# Altium PCB BlueberryPiCore.PcbDoc (part 2 of 3)
Units mm, origin at the board's own origin, x right, y up, seen from the top; angles counter-clockwise.
Board outline 31 x 24 mm, 6 copper layers (Top Layer, GND1, SIG1, SIG2, PWR, Bottom Layer), stack 0.748 mm thick; 90 components, 183 nets, 829 pads, 387 vias.
Unrouted connection lines stored in the file: 15.
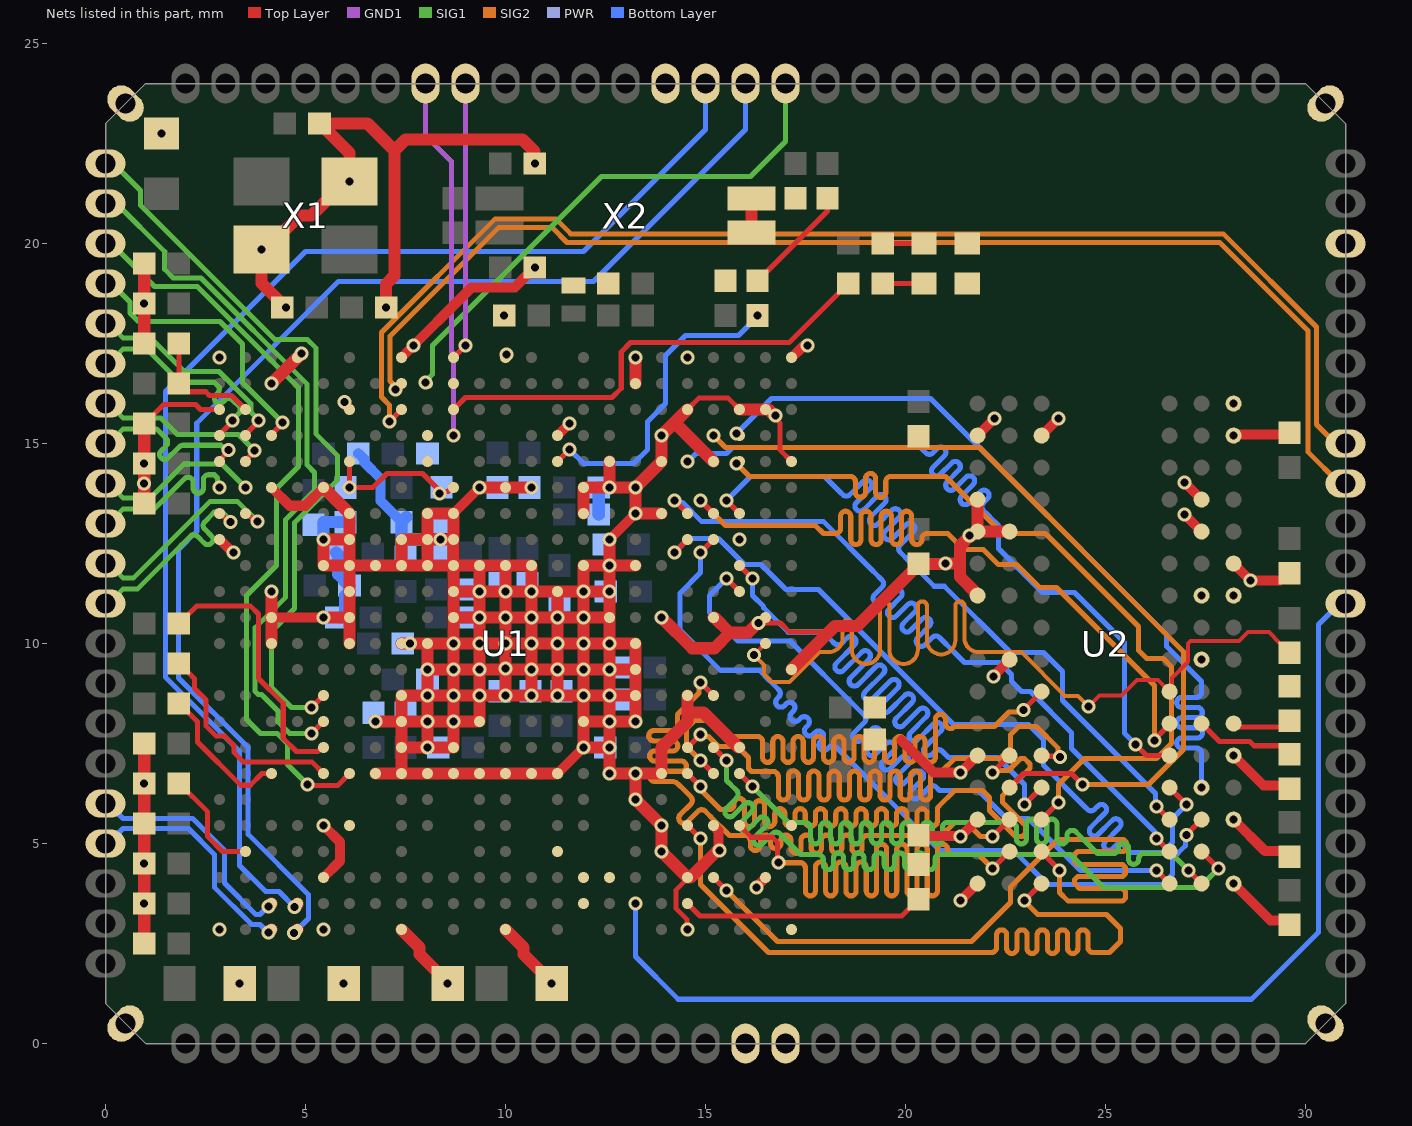
[diagram p6: the nets of this part, all layers, seen from the top]

## Via types
v1: diameter 0.35, hole 0.2, Top Layer to Bottom Layer, tented both sides, 387 vias

## Nets (pads, with @x,y where several pads share a name; then routed paths per layer and width w, separated by ;. In a path a pad name is that pad's centre, name@x,y a point inside that pad or via, vN(x,y) a via of type N, cw(c..) or ccw(c..) an arc to the next point about the centre after c; other vN are vias at no path point) (continued)
GND: C1.2 C4.2 C5.2 C6.2 C7.2 C8.1 C9.1 C10.1 C11.1 C12.1 C13.1 C14.1 C15.1 C17.1 C18.1 C19.1 C20.1 C21.1 C22.1 C23.1 C24.1 C25.1 C26.1 C27.1 C28.1 C29.1 C30.1 C31.1 C32.1 C33.1 C34.1 C35.1 C36.1 C37.1 C38.1 C39.1 C40.1 C41.1 C42.1 C43.1 C44.1 C45.1 C46.1 C47.1 C48.1 C49.1 C50.1 C51.1 C52.1 C53.1 C54.1 C55.1 C57.1 C58.1 C59.1 C60.1 C61.1 C62.1 C63.1 C64.1 C65.1 C66.1 C67.1 C68.1 LED1.1 LED2.1 pad.36 pad.37 pad.68 pad.86 pad.99 R1.2 R2.2 R6.1 R7.1 R8.1 R13.1 R18.1 U1.A1 U1.A16 U1.A21 U1.A23 U1.AA8 U1.AA16 U1.AA21 U1.AB3 U1.AB13 U1.AB21 U1.AC1 U1.AC5 U1.AC11 U1.AC19 U1.AC23 U1.C12 U1.C13 U1.C14 U1.C18 U1.C22 U1.D23 U1.E1 U1.E3 U1.E5 U1.E13 U1.E15 U1.E16 U1.E18 U1.F12 U1.F13 U1.F14 U1.F15 U1.F16 U1.F17 U1.F21 U1.G7 U1.G9 U1.G15 U1.H1 U1.H7 U1.H8 U1.H9 U1.H10 U1.H12 U1.H15 U1.H16 U1.H23 U1.J7 U1.J8 U1.J9 U1.J10 U1.J11 U1.J12 U1.J15 U1.J16 U1.J17 U1.K7 U1.K8 U1.K9 U1.K10 U1.K11 U1.K12 U1.K13 U1.K14 U1.K15 U1.K16 U1.K17 U1.L7 U1.L9 U1.L10 U1.L11 U1.L12 U1.L13 U1.L14 U1.L15 U1.L18 U1.M1 U1.M7 U1.M10 U1.M11 U1.M12 U1.M13 U1.M14 U1.M15 U1.M18 U1.M23 U1.N7 U1.N10 U1.N11 U1.N12 U1.N13 U1.N14 U1.N15 U1.N18 U1.P7 U1.P10 U1.P11 U1.P12 U1.P13 U1.P14 U1.P20 U1.R8 U1.R9 U1.R10 U1.R11 U1.R12 U1.R13 U1.R14 U1.R15 U1.R17 U1.R18 U1.T7 U1.T8 U1.T9 U1.T10 U1.T11 U1.T12 U1.T13 U1.T14 U1.T15 U1.T16 U1.T18 U1.T19 U1.U6 U1.U7 U1.U9 U1.U10 U1.U11 U1.U12 U1.U15 U1.U17 U1.U18 U1.U22 U1.U23 U1.V5 U1.V7 U1.V13 U1.V17 U1.V19 U1.V20 U1.W1 U1.W3 U1.W10 U1.W21 U1.W23 U1.Y5 U1.Y13 U1.Y19 U2.A9 U2.B1 U2.B3 U2.B9 U2.D1 U2.D8 U2.E1 U2.E2 U2.E8 U2.F9 U2.G1 U2.G8 U2.G9 U2.J2 U2.J8 U2.M1 U2.M9 U2.P1 U2.P9 U2.T1 U2.T9 U3.1 X1.1 X1.3 X2.2 X2.3 | length 201.2
  Top Layer w0.127: R2.2@0.967,15.5 0.98,15.5 1.455,15.975 2.25,15.975 2.375,15.85 U1.A21@2.85,15.85 ; U1.W3@14.532,4.164 14.532,4.107 14.257,3.832 14.257,3.379 14.532,3.104 14.532,2.867 v1(14.55,2.85) ; U1.W21@14.55,15.85 14.842,16.142 15.557,16.142 U1.AA21@15.874,15.826 ; v1(16.33,10.511) 16.354,10.511 16.875,10.511 17.094,10.292 18.083,10.292 18.088,10.287 ; v1(16.748,15.7) 16.748,15.626 16.858,15.517 16.858,14.842 U1.AC19@17.15,14.55
  Top Layer w0.254: U1.A16@2.85,12.6 2.857,12.6 3.182,12.275 v1(3.2,12.275) ; U1.C13@4.15,10.65 v1(5.45,10.65) ; U1.C18@4.15,13.9 4.604,13.446 4.996,13.446 U1.E18@5.45,13.9 ; U1.E3@5.45,4.15 5.866,4.566 5.866,5.034 v1(5.45,5.45) ; v1(5.973,16.043) 6.001,16.015 6.001,15.956 6.1,15.857 U1.F21@6.1,15.85 ; U1.H23@7.4,17.15 9.154,18.904 10.23,18.904 10.366,19.041 10.366,19.046 10.72,19.4 v1(10.733,19.4) ; U1.K17@8.7,13.25 v1(9.35,13.9) ; U1.P7@11.3,6.75 v1(11.95,7.4) ; U1.P20@11.3,15.2 v1(11.6,15.5) ; v1(12.6,12.6) v1(13.25,13.25) ; U1.Y5@15.2,5.45 15.2,5.443 15.322,5.321 15.322,4.853 v1(15.35,4.825) ; v1(16.275,3.9) 16.275,3.918 16.5,4.143 U1.AB3@16.5,4.15 ; v1@16.354,10.511 16.493,10.65 U1.AB13@16.5,10.65 ; U1.AC23@17.15,17.15 17.157,17.15 17.429,17.422 17.522,17.422 v1(17.55,17.45) ; C50.1@19.233,7.6 C50.1@19.251,7.581 ; 19.897,7.581 20.703,6.775 v1(21.375,6.775) U2.M1@21.8,7.2 ; C34.1@20.325,5.209 20.342,5.192 21.358,5.192 v1(21.375,5.175) U2.P1@21.8,5.6 ; v1(21.375,3.575) U2.T1@21.8,4 ; U2.B1@21.8,15.2 v1(22.225,15.625) ; v1(22.2,9.175) 22.2,9.187 22.6,9.588 U2.J2@22.6,9.6 ; U2.B3@23.4,15.2 v1(23.825,15.625) ; v1(26.975,13.225) U2.E8@27.4,12.8 ; v1(26.975,14.025) U2.D8@27.4,13.6 ; v1(28.2,4) 29.125,3.075 29.457,3.075 29.465,3.068 C36.1@29.465,2.9 ; v1(28.2,5.6) 28.991,4.809 C39.1@29.6,4.809 ; v1(28.2,7.2) 28.949,6.451 29.508,6.451 R6.1@29.6,6.359 ; U2.F9@28.2,12 28.625,11.575 29.366,11.575 29.394,11.604 29.407,11.604 29.55,11.747 C65.1@29.55,11.759 ; v1(28.2,15.2) 28.228,15.228 29.512,15.228 C38.1@29.55,15.266
  Top Layer w0.305: C46.1@0.967,2.5 v1(0.967,3.5) v1(0.967,6.5) C44.1@0.967,7.5 ; C59.1@0.967,13.5 v1(0.967,14.5) R2.2@0.967,15.5 ; C42.1@0.967,17.5 v1(0.967,18.5) R1.2@0.967,19.5 ; U1.C12@4.15,10 U1.C13@4.15,10.65 v1(4.15,11.3) ; v1(4.15,16.5) U1.D23@4.8,17.15 v1(4.9,17.25) ; v1(4.517,18.4) 4.504,18.4 3.9,19.004 v1(3.9,19.85) 4,19.85 4.85,20.7 5.15,20.7 6,21.55 v1(6.1,21.55) 6.1,22.263 C4.2@5.363,23 ; C4.2@5.35,23 C4.2@5.363,23 ; v1(5.45,10.65) U1.F13@6.1,10.65 ; U1.E18@5.45,13.9 U1.F17@6.1,13.25 U1.F16@6.1,12.6 ; U1.F12@6.1,10 U1.F13@6.1,10.65 ; U1.G7@6.75,6.75 U1.H7@7.4,6.75 ; v1(6.75,8.05) U1.H9@7.4,8.05 ; v1(7.016,18.4) 7.016,18.991 7.225,19.2 7.225,22.325 ; U1.H1@7.4,2.85 7.851,2.399 7.851,2.231 8.553,1.529 v1(8.553,1.5) ; U1.H12@7.4,10 U1.J12@8.05,10 ; v1(9.35,13.9) U1.M18@10,13.9 v1(10.65,13.9) ; U1.M1@10,2.85 10.451,2.399 10.451,2.231 11.153,1.529 v1(11.153,1.5) ; v1(10.733,22) 10.725,22.008 10.725,22.3 10.425,22.6 7.5,22.6 7.225,22.325 ; U1.P7@11.3,6.75 U1.N7@10.65,6.75 U1.L7@9.35,6.75 U1.K7@8.7,6.75 U1.J7@8.05,6.75 U1.H7@7.4,6.75 ; U1.R17@11.95,13.25 U1.R18@11.95,13.9 v1(12.6,13.9) ; v1(12.6,12.6) v1(12.6,11.95) ; U1.T19@12.6,14.55 v1(12.6,13.9) ; U1.U15@13.25,11.95 v1(12.6,11.95) ; U1.U22@13.25,16.5 v1(13.25,17.15) ; v1(13.9,10.65) 14.666,9.884 15.222,9.884 15.607,10.269 ; U1.V17@13.9,13.25 v1(13.25,13.25) v1(13.25,13.9) ; U1.W10@14.55,8.7 14.55,8.275 ; U1.W21@14.55,15.85 14.225,15.525 ; U1.Y13@15.2,10.65 15.226,10.65 15.607,10.269 ; U1.Y19@15.2,14.55 14.225,15.525 ; v1(15.35,4.825) 15.332,4.807 15.282,4.807 14.625,4.15 U1.W3@14.55,4.15 v1(13.9,4.8) v1(13.9,5.45) v1(13.25,6.1) v1(13.25,6.75) ; U1.AA8@15.85,7.4 15.824,7.4 14.949,8.275 14.55,8.275 ; U1.AA21@15.85,15.85 16.573,15.85 16.722,15.7 v1(16.748,15.7) ; X2.2@15.85,20.275 X2.2@16.15,20.275 X2.3@16.15,21.125 X2.3@15.85,21.125 ; v1(16.33,10.511) 16.304,10.511 16.061,10.269 15.607,10.269 ; U1.AC11@17.15,9.35 18.088,10.287 18.235,10.435 18.791,10.435 20.343,11.987 20.987,11.987 v1(21,12) 21.359,12 ; v1(21.6,12.705) 21.6,12.679 21.359,12.438 21.359,12 ; v1@21.631,12.674 21.631,12.71 21.644,12.723 21.697,12.723 21.774,12.8 U2.E1@21.8,12.8 ; U2.G1@21.8,11.2 21.8,11.226 21.359,11.667 21.359,12 ; U2.D1@21.8,13.6 U2.E1@21.8,12.8 ; U2.E2@22.6,12.8 U2.E1@21.8,12.8 ; C4.2@5.363,23 6.55,23 7.225,22.325 ; U1.F13@6.1,10.65 U1.F14@6.1,11.3 U1.F15@6.1,11.95 ; U1.F15@6.1,11.95 U1.E15@5.45,11.95 v1(5.45,12.6) U1.F16@6.1,12.6 ; U1.F15@6.1,11.95 U1.G15@6.75,11.95 U1.H15@7.4,11.95 ; U1.F15@6.1,11.95 U1.F16@6.1,12.6 ; U1.H7@7.4,6.75 U1.H8@7.4,7.4 ; U1.H8@7.4,7.4 v1(8.05,7.4) ; U1.H8@7.4,7.4 U1.H9@7.4,8.05 ; U1.H9@7.4,8.05 v1(8.05,8.05) ; U1.H9@7.4,8.05 U1.H10@7.4,8.7 v1(8.05,8.7) ; U1.H15@7.4,11.95 U1.J15@8.05,11.95 ; U1.H15@7.4,11.95 U1.H16@7.4,12.6 U1.J16@8.05,12.6 ; v1(8.05,7.4) U1.K8@8.7,7.4 v1(8.7,8.05) ; v1(8.05,7.4) v1(8.05,8.05) ; v1(8.05,8.05) v1(8.7,8.05) ; v1(8.05,8.05) v1(8.05,8.7) ; v1(8.05,8.7) v1(8.7,8.7) ; v1(8.05,8.7) v1(8.05,9.35) ; v1(8.05,9.35) v1(8.7,9.35) ; v1(8.05,9.35) U1.J12@8.05,10 ; U1.J12@8.05,10 v1(8.7,10) ; U1.J15@8.05,11.95 U1.J16@8.05,12.6 ; U1.J15@8.05,11.95 U1.K15@8.7,11.95 ; U1.J16@8.05,12.6 U1.J17@8.05,13.25 U1.K17@8.7,13.25 U1.K16@8.7,12.6 ; U1.J16@8.05,12.6 v1(8.375,12.6) U1.K16@8.7,12.6 ; v1(8.7,8.05) v1(8.7,8.7) ; v1(8.7,8.05) U1.L9@9.35,8.05 v1(9.35,8.7) ; v1(8.7,8.7) v1(9.35,8.7) ; v1(8.7,8.7) v1(8.7,9.35) ; v1(8.7,9.35) v1(9.35,9.35) ; v1(8.7,9.35) v1(8.7,10) ; v1(8.7,10) v1(9.35,10) ; v1(8.7,10) U1.K13@8.7,10.65 ; U1.K13@8.7,10.65 v1(9.35,10.65) ; U1.K13@8.7,10.65 U1.K14@8.7,11.3 ; U1.K14@8.7,11.3 v1(9.35,11.3) ; U1.K14@8.7,11.3 U1.K15@8.7,11.95 ; U1.K15@8.7,11.95 U1.L15@9.35,11.95 ; U1.K15@8.7,11.95 U1.K16@8.7,12.6 ; v1(9.35,8.7) v1(9.35,9.35) ; v1(9.35,8.7) v1(10,8.7) ; v1(9.35,9.35) U1.M11@10,9.35 ; v1(9.35,9.35) v1(9.35,10) ; v1(9.35,10) v1(10,10) ; v1(9.35,10) v1(9.35,10.65) ; v1(9.35,10.65) v1(9.35,11.3) ; v1(9.35,10.65) v1(10,10.65) ; v1(9.35,11.3) v1(10,11.3) ; v1(9.35,11.3) U1.L15@9.35,11.95 ; U1.L15@9.35,11.95 U1.M15@10,11.95 ; v1(10,8.7) U1.M11@10,9.35 ; v1(10,8.7) v1(10.65,8.7) ; U1.M11@10,9.35 v1(10.65,9.35) ; U1.M11@10,9.35 v1(10,10) ; v1(10,10) v1(10.65,10) ; v1(10,10) v1(10,10.65) ; v1(10,10.65) v1(10.65,10.65) ; v1(10,10.65) v1(10,11.3) ; v1(10,11.3) v1(10.65,11.3) ; v1(10,11.3) U1.M15@10,11.95 ; U1.M15@10,11.95 U1.N15@10.65,11.95 v1(10.65,11.3) ; v1(10.65,8.7) v1(10.65,9.35) ; v1(10.65,8.7) v1(11.3,8.7) ; v1(10.65,9.35) v1(11.3,9.35) ; v1(10.65,9.35) v1(10.65,10) ; v1(10.65,10) v1(11.3,10) ; v1(10.65,10) v1(10.65,10.65) ; v1(10.65,10.65) v1(10.65,11.3) ; v1(10.65,10.65) v1(11.3,10.65) ; v1(10.65,11.3) U1.P14@11.3,11.3 ; v1(11.3,8.7) v1(11.3,9.35) ; v1(11.3,8.7) v1(11.95,8.7) ; v1(11.3,9.35) v1(11.3,10) ; v1(11.3,9.35) v1(11.95,9.35) ; v1(11.3,10) v1(11.3,10.65) ; v1(11.3,10) v1(11.95,10) ; v1(11.3,10.65) U1.P14@11.3,11.3 ; v1(11.3,10.65) v1(11.95,10.65) ; U1.P14@11.3,11.3 v1(11.95,11.3) ; U1.R9@11.95,8.05 v1(12.6,8.05) ; U1.R9@11.95,8.05 v1(11.95,8.7) ; U1.R9@11.95,8.05 v1(11.95,7.4) v1(12.6,7.4) ; v1(11.95,8.7) v1(12.6,8.7) ; v1(11.95,8.7) v1(11.95,9.35) ; v1(11.95,9.35) v1(11.95,10) ; v1(11.95,9.35) v1(12.6,9.35) ; v1(11.95,10) v1(12.6,10) ; v1(11.95,10) v1(11.95,10.65) ; v1(11.95,10.65) v1(11.95,11.3) ; v1(11.95,10.65) U1.T13@12.6,10.65 ; v1(11.95,11.3) U1.R15@11.95,11.95 v1(12.6,11.95) ; v1(11.95,11.3) v1(12.6,11.3) ; v1(12.6,7.4) v1(12.6,6.75) v1(13.25,6.75) ; v1(12.6,7.4) v1(12.6,8.05) ; v1(12.6,8.05) v1(13.25,8.05) U1.U10@13.25,8.7 ; v1(12.6,8.05) v1(12.6,8.7) ; v1(12.6,8.7) U1.U10@13.25,8.7 ; v1(12.6,8.7) v1(12.6,9.35) ; v1(12.6,9.35) U1.U11@13.25,9.35 ; v1(12.6,9.35) v1(12.6,10) ; v1(12.6,10) U1.U12@13.25,10 U1.U11@13.25,9.35 ; v1(12.6,10) U1.T13@12.6,10.65 ; U1.T13@12.6,10.65 v1(12.6,11.3) ; v1(12.6,11.3) v1(12.6,11.95) ; v1(12.6,13.9) v1(13.25,13.9) ; v1(13.25,6.75) U1.V7@13.9,6.75 13.9,7.4 14.55,8.05 14.55,8.275 ; U1.U10@13.25,8.7 U1.U11@13.25,9.35 ; v1(13.25,13.9) U1.V19@13.9,14.55 v1(13.9,15.2) 14.225,15.525
  Bottom Layer w0.254: C52.1@6.316,14.75 6.329,14.75 6.472,14.607 6.472,14.528 6.875,14.125 6.875,13.567 7.252,13.19 7.257,13.19 7.4,13.047 C14.1@7.4,13.034
  Bottom Layer w0.305: v1(5.45,12.6) 5.45,13.034 C17.1@6.1,13.034 ; C61.1@5.759,12.275 5.82,12.214 5.82,11.73 5.97,11.58 5.97,11.568 6.087,11.45 C62.1@6.1,11.45 ; C54.1@5.884,10.65 5.992,10.758 5.992,11.192 C62.1@6.1,11.3 ; C24.1@7.4,12.166 7.4,12.6 ; C14.1@7.4,13.034 7.4,12.6 ; C14.1@7.4,13.047 C14.1@7.518,13.165 ; v1(8.375,12.6) 7.4,12.6 ; C30.1@8.916,10.65 v1(9.35,10.65) ; C68.1@8.916,11.3 v1(9.35,11.3) ; v1(11.3,10.65) C23.1@11.3,11.084 ; C64.1@12.333,13.226 C63.1@12.333,13.9 v1(12.6,13.9)
  other v1: 3.353,1.5 5.953,1.5 2.85,2.85 5.45,2.85 0.967,4.5 10,9.375 27.4,9.6 7.616,10 27.4,11.2 28.2,11.2 28.625,11.575 15.85,12.6 0.967,14 28.2,16 2.85,17.15 14.55,17.15 10.025,17.225 7.7,17.45 9.967,18.2 1.4,22.753
HCEC: pad.2 U1.E9 | length 18
  Top Layer w0.127: v1(5.15,7.75) U1.E9@5.45,8.05
  SIG1 w0.127: pad.2@0,21 0.275,21 1.48,19.795 1.48,19.354 1.694,19.141 2.384,19.141 5.041,16.484 5.041,14.461 5.225,14.277 5.225,13.825 4.503,13.103 4.503,11.154 3.743,10.395 3.743,10.115 3.741,10.112 3.741,8.802 3.815,8.727 3.898,8.727 4.311,8.314 4.311,8.043 4.604,7.75 v1(5.15,7.75)
HHPD: pad.4 U1.C20 | length 7
  Top Layer w0.127: U1.C20@4.15,15.2 4.15,15.225 4.425,15.5 v1(4.425,15.525)
  SIG1 w0.127: pad.4@0,19 0.15,19 0.615,18.535 0.615,18.26 0.825,18.05 2.864,18.05 3.425,17.489 3.425,16.525 v1(4.425,15.525)
HSCL: pad.1 U1.E10 | length 18.4
  Top Layer w0.127: v1(5.15,8.4) U1.E10@5.45,8.7
  SIG1 w0.127: pad.1@0,22 0.2,22 0.875,21.325 0.875,20.956 4.229,17.602 5.046,17.602 5.257,17.391 5.257,15.241 5.802,14.696 5.802,14.097 4.725,13.02 4.725,10.877 4.148,10.299 4.148,8.904 4.652,8.4 v1(5.15,8.4)
HSDA: pad.3 U1.F7 | length 18.8
  Top Layer w0.127: v1(5.05,6.475) 5.073,6.452 5.802,6.452 U1.F7@6.1,6.75
  SIG1 w0.127: pad.3@0,20 0.15,20 1.225,18.925 2.295,18.925 4.825,16.395 4.825,14.423 4.275,13.873 4.275,11.95 3.525,11.2 3.525,10.498 3.527,10.496 3.527,10.204 3.525,10.202 3.525,8.1 3.873,7.752 4.296,7.752 4.55,7.499 4.55,6.975 v1(5.05,6.475)
HTX0_N: pad.7 U1.B19 | length 4.6
  Top Layer w0.127: U1.B19@3.5,14.55 3.5,14.575 3.725,14.8 v1(3.725,14.825)
  SIG1 w0.127: pad.7@0,16 0.076,16 0.443,15.633 1.386,15.633 1.797,15.223 3.327,15.223 v1(3.725,14.825)
HTX0_P: pad.8 U1.A19 | length 4.6
  Top Layer w0.127: U1.A19@2.85,14.55 2.85,14.579 3.08,14.809 v1(3.08,14.838)
  SIG1 w0.127: pad.8@0,15 0.076,15 0.443,15.367 1.276,15.367 1.293,15.35 1.337,15.305 1.517,15.125 cw(c1.427,15.036) 1.517,14.946 1.389,14.818 ccw(c1.479,14.728) 1.389,14.639 ccw(c1.479,14.728) 1.569,14.639 1.849,14.919 cw(c1.939,14.829) 1.939,14.956 2.36,14.956 2.888,14.956 3.006,14.838 v1(3.08,14.838)
HTX1_N: pad.9 U1.B18 | length 4.2
  SIG1 w0.127: pad.9@0,14 0.076,14 0.443,13.633 1.112,13.633 1.964,14.485 2.915,14.485 v1(3.5,13.9)
HTX1_P: pad.10 U1.A18 | length 4.2
  SIG1 w0.127: pad.10@0,13 0.076,13 0.443,13.367 1.222,13.367 1.811,13.956 1.975,14.12 cw(c2.065,14.03) 2.192,14.03 2.192,13.883 ccw(c2.319,13.883) 2.446,13.883 2.446,14.092 cw(c2.573,14.092) 2.573,14.219 2.722,14.219 2.775,14.165 2.798,14.143 2.798,13.952 v1(2.85,13.9)
HTX2_N: pad.11 U1.B17 | length 5.3
  Top Layer w0.127: U1.B17@3.5,13.25 3.542,13.25 3.741,13.05 v1(3.8,13.05)
  SIG1 w0.127: pad.11@0,12 0.076,12 0.443,11.633 0.694,11.633 2.608,13.548 3.302,13.548 v1(3.8,13.05)
HTX2_P: pad.12 U1.A17 | length 5.3
  Top Layer w0.127: U1.A17@2.85,13.25 2.882,13.25 3.095,13.037 v1(3.128,13.037)
  SIG1 w0.127: pad.12@0,11 0.076,11 0.443,11.367 0.804,11.367 1.894,12.456 2.118,12.681 cw(c2.208,12.591) 2.298,12.681 2.47,12.508 ccw(c2.56,12.598) 2.65,12.508 ccw(c2.56,12.598) 2.65,12.688 2.478,12.86 cw(c2.567,12.95) 2.478,13.04 2.694,13.256 2.718,13.281 2.924,13.281 3.128,13.077 v1(3.128,13.037)
HTXC_N: pad.5 U1.B20 | length 5.5
  Top Layer w0.127: U1.B20@3.5,15.2 3.5,15.225 3.825,15.55 v1(3.825,15.575)
  SIG1 w0.127: pad.5@0,18 0.076,18 0.443,17.633 1.134,17.633 1.97,16.798 2.837,16.798 3.633,16.002 3.633,15.786 3.825,15.594 v1(3.825,15.575)
HTXC_P: pad.6 U1.A20 | length 5.5
  Top Layer w0.127: U1.A20@2.85,15.2 2.85,15.225 3.175,15.55 v1(3.175,15.575)
  SIG1 w0.127: pad.6@0,17 0.076,17 0.443,17.367 1.024,17.367 1.859,16.531 2.531,16.531 2.727,16.531 2.808,16.449 cw(c2.719,16.359) 2.808,16.27 2.758,16.219 ccw(c2.848,16.129) 2.758,16.04 ccw(c2.848,16.129) 2.938,16.04 2.988,16.09 cw(c3.078,16) 3.168,16.09 3.367,15.891 3.367,15.796 3.367,15.786 3.175,15.594 v1(3.175,15.575)
IR-RX: U1.J19
KEYADC: C42.2 R3.1 U1.B21 | length 2.9
  Top Layer w0.127: C42.2@1.833,17.5 R3.1@1.833,16.5 2.039,16.294 2.506,16.294 2.598,16.202 2.703,16.202 ; 2.704,16.202 3.148,16.202 U1.B21@3.5,15.85
LINEOUTL: pad.85 U1.D2 | length 31.9
  Top Layer w0.305: v1(4.725,3.409) 4.8,3.484 U1.D2@4.8,3.5
  Bottom Layer w0.127: v1(4.725,3.409) 4.336,3.798 4.004,3.798 3.35,4.452 3.35,7.309 1.5,9.159 1.5,16.3 5,19.8 11.95,19.8 15,22.85 pad.85@15,24
LINEOUTR: pad.84 U1.D1 | length 32.5
  Top Layer w0.305: v1(4.71,2.76) U1.D1@4.8,2.85
  Bottom Layer w0.127: v1(4.71,2.76) 5.077,3.127 5.077,3.721 3.566,5.233 3.566,7.399 1.825,9.14 1.825,12.35 2.281,12.806 2.281,15.51 5.821,19.05 10.584,19.05 10.587,19.048 10.879,19.048 10.881,19.05 12.2,19.05 16,22.85 pad.84@16,24
MBIAS: U1.F5
MIC1_N: pad.17 U1.C2 | length 5.9
  Top Layer w0.305: v1(4.075,3.425) 4.143,3.493 U1.C2@4.15,3.493
  Bottom Layer w0.127: pad.17@0,6 0.063,6 0.436,5.627 2.178,5.627 2.975,4.83 2.975,4.011 3.759,3.227 3.864,3.227 4.062,3.425 v1(4.075,3.425)
MIC1_P: pad.18 U1.C1 | length 5.9
  Top Layer w0.305: v1(4.075,2.775) U1.C1@4.15,2.85
  Bottom Layer w0.127: pad.18@0,5 0.063,5 0.436,5.373 2.073,5.373 2.721,4.725 2.721,3.906 3.654,2.973 3.864,2.973 4.062,2.775 v1(4.075,2.775)
NetLED1_2: LED1.2 R15.2 | length 1
  Top Layer w0.127: R15.2@19.433,19 LED1.2@20.462,19
NetLED2_2: LED2.2 R16.2 | length 1
  Top Layer w0.127: R16.2@19.433,20 LED2.2@20.462,20
NetR4_2: R4.2 R5.1 | length 2.8
  Top Layer w0.127: R5.1@16.3,19.066 18.05,20.816 R4.2@18.05,21.134
NetR5_2: R5.2 U1.P19 | length 7.9
  Top Layer w0.127: U1.P19@11.3,14.55 v1(11.6,14.85)
  Bottom Layer w0.127: v1(11.6,14.85) 11.953,14.498 13.198,14.498 13.548,14.848 13.548,15.548 14,16 14,17.2 14.5,17.7 15.825,17.7 16.3,18.175 v1(16.3,18.2)
NetR6_2: R6.2 U2.L8 | length 2.5
  Top Layer w0.127: U2.L8@27.4,8 27.848,7.552 28.604,7.552 28.711,7.444 29.393,7.444 29.6,7.238 R6.2@29.6,7.225
NetR7_2: R7.2 U2.L9 | length 1.4
  Top Layer w0.127: U2.L9@28.2,8 28.274,8 28.365,7.909 R7.2@29.6,7.909
NetR8_2: R8.2 U1.B4 | length 2.7
  Top Layer w0.127: R8.2@1.833,6.5 1.846,6.5 2.555,5.791 2.555,5.17 2.925,4.8 U1.B4@3.5,4.8
NetR10_1: R10.1 U1.E8 | length 6.8
  Top Layer w0.127: R10.1@1.833,10.5 1.846,10.5 2.288,10.942 3.621,10.942 3.825,10.739 3.825,9.125 4.443,8.507 4.443,7.632 4.775,7.3 5.309,7.3 5.409,7.4 U1.E8@5.45,7.4
NetR11_1: R11.1 U1.C7 | length 3.6
  Top Layer w0.127: R11.1@1.833,8.5 1.846,8.5 2.3,8.046 2.3,7.536 3.379,6.458 3.621,6.458 3.914,6.75 U1.C7@4.15,6.75
NetR12_1: R12.1 U1.E7 | length 5.4
  Top Layer w0.127: R12.1@1.833,9.5 1.846,9.5 2.225,9.121 2.225,8.876 2.516,8.585 2.516,7.934 2.758,7.692 2.971,7.692 3.208,7.456 3.208,7.279 3.444,7.042 5.158,7.042 U1.E7@5.45,6.75
NetR13_2: R13.2 U1.W2 | length 6.1
  Top Layer w0.127: U1.W2@14.55,3.5 14.859,3.191 19.906,3.191 20.106,3.39 20.118,3.39 20.325,3.597 R13.2@20.325,3.609
PD15: U1.R3
PD16: U1.R2
PD18: U1.P4
PD21: U1.T3
PL8: pad.62 U1.H22 | length 31
  Top Layer w0.127: v1(7.25,16.35) U1.H22@7.4,16.5
  SIG2 w0.127: v1(7.25,16.35) 7.25,16.424 7.114,16.56 7.114,17.683 9.83,20.4 11.166,20.4 11.539,20.027 27.855,20.027 30.057,17.825 30.057,14.793 30.85,14 pad.62@31,14
PL10: pad.63 U1.H21 | length 31.8
  Top Layer w0.127: v1(7.1,15.55) U1.H21@7.4,15.85
  SIG2 w0.127: v1(7.1,15.55) 7.1,15.959 6.898,16.161 6.898,17.773 9.741,20.616 11.255,20.616 11.628,20.243 27.944,20.243 30.273,17.914 30.273,15.475 30.748,15 pad.63@31,15
PMU-SCK: pad.92 U1.K20 | length 9.1
  GND1 w0.127: pad.92@8,24 8,22.695 8.648,22.047 8.648,17.304 8.7,17.252 v1(8.7,15.2)
PMU-SDA: pad.91 U1.K23 | length 7
  Top Layer w0.127: U1.K23@8.7,17.15 v1(9,17.45)
  GND1 w0.127: v1(9,17.45) pad.91@9,24
PWM0: pad.59 U1.U2 | length 28.1
  Bottom Layer w0.127: v1(13.25,3.5) 13.25,2.175 14.318,1.107 28.651,1.107 30.325,2.78 30.325,10.475 30.85,11 pad.59@31,11
PWR-LED: R15.1 U1.K21 | length 11.7
  Top Layer w0.127: U1.K21@8.7,15.85 9,16.15 12.663,16.15 12.892,16.379 12.892,17.291 13.126,17.525 17.092,17.525 18.348,18.781 18.348,18.793 18.554,19 R15.1@18.567,19
RECOVERY: pad.83 U1.J22 | length 13.5
  Top Layer w0.127: v1(7.995,16.52) 8.016,16.5 U1.J22@8.05,16.5
  SIG1 w0.127: v1(7.995,16.52) 7.995,16.552 8.175,16.731 8.175,17.45 12.4,21.675 16.125,21.675 17,22.55 pad.83@17,24
RTC-VIO: C17.2 C18.2 U1.F19 U1.K18 | length 3.7
  Top Layer w0.127: U1.F19@6.1,14.55 v1(6.1,13.9) 6.684,13.9 7.036,14.252 7.923,14.252 8.402,13.774 v1@8.402,13.75 ; v1@8.402,13.792 8.412,13.802 8.561,13.802 8.659,13.9 U1.K18@8.7,13.9
  other v1: 8.352,13.75
S-UART-RX: U1.J20
S-UART-TX: U1.K22
SA0: U1.AA15 U2.N3 | length 21
  Top Layer w0.127: U1.AA15@15.85,11.95 v1(16.175,11.625) ; v1(22.975,5.975) U2.N3@23.4,6.4
  Bottom Layer w0.127: v1(16.175,11.625) 16.175,11.203 16.454,10.924 16.454,10.892 17.066,10.281 17.944,10.281 18.075,10.15 18.12,10.105 18.224,10.001 ccw(c18.313,10.091) 18.403,10.001 18.546,10.144 cw(c18.636,10.054) 18.725,10.144 cw(c18.636,10.054) 18.725,9.965 18.27,9.51 ccw(c18.36,9.42) 18.27,9.33 ccw(c18.36,9.42) 18.45,9.33 18.905,9.785 cw(c18.995,9.695) 19.085,9.785 cw(c18.995,9.695) 19.085,9.605 18.63,9.15 ccw(c18.72,9.061) 18.63,8.971 ccw(c18.72,9.061) 18.809,8.971 19.264,9.426 cw(c19.354,9.336) 19.444,9.426 cw(c19.354,9.336) 19.444,9.246 18.989,8.791 ccw(c19.079,8.701) 18.989,8.612 ccw(c19.079,8.701) 19.169,8.612 19.623,9.067 cw(c19.713,8.977) 19.803,9.067 cw(c19.713,8.977) 19.803,8.887 19.409,8.493 ccw(c19.499,8.403) 19.409,8.314 ccw(c19.499,8.403) 19.589,8.314 19.983,8.707 cw(c20.072,8.618) 20.162,8.707 cw(c20.072,8.618) 20.162,8.528 19.769,8.134 ccw(c19.858,8.044) 19.769,7.955 ccw(c19.858,8.044) 19.948,7.955 20.342,8.348 cw(c20.432,8.258) 20.522,8.348 cw(c20.432,8.258) 20.522,8.169 20.128,7.775 ccw(c20.218,7.685) 20.128,7.595 ccw(c20.218,7.685) 20.308,7.595 20.701,7.989 cw(c20.791,7.899) 20.881,7.989 cw(c20.791,7.899) 20.881,7.809 20.487,7.416 ccw(c20.577,7.326) 20.487,7.236 ccw(c20.577,7.326) 20.667,7.236 20.738,7.307 cw(c20.828,7.218) 20.918,7.307 20.963,7.263 21.073,7.152 22.297,7.152 22.975,6.473 v1(22.975,5.975)
SA1: U1.AA17 U2.P7 | length 21
  Top Layer w0.127: v1(15.525,13.575) U1.AA17@15.85,13.25 ; v1(26.275,5.925) U2.P7@26.6,5.6
  Bottom Layer w0.127: v1(15.525,13.575) 16.125,14.175 17.427,14.175 17.429,14.177 17.721,14.177 17.723,14.175 17.975,14.175 18.384,13.766 18.429,13.721 ccw(c18.519,13.811) 18.609,13.721 18.939,14.051 cw(c19.029,13.961) 19.118,14.051 cw(c19.029,13.961) 19.118,13.871 18.774,13.526 ccw(c18.864,13.437) 18.774,13.347 ccw(c18.864,13.437) 18.953,13.347 19.298,13.691 cw(c19.388,13.602) 19.478,13.691 cw(c19.388,13.602) 19.478,13.512 19.133,13.167 ccw(c19.223,13.077) 19.133,12.988 ccw(c19.223,13.077) 19.313,12.988 19.657,13.332 cw(c19.747,13.242) 19.837,13.332 cw(c19.747,13.242) 19.837,13.153 19.492,12.808 ccw(c19.582,12.718) 19.492,12.628 ccw(c19.582,12.718) 19.672,12.628 20.016,12.973 cw(c20.106,12.883) 20.196,12.973 cw(c20.106,12.883) 20.196,12.793 19.866,12.463 ccw(c19.956,12.374) 19.866,12.284 20.084,12.066 20.718,11.432 20.968,11.432 22.625,9.775 23.45,9.775 23.925,9.3 23.925,8.577 26.251,6.251 26.251,5.949 v1(26.275,5.925)
SA2: U1.AA19 U2.P3 | length 21.4
  Top Layer w0.127: U2.P3@23.4,5.6 v1(23.825,6.025)
  SIG2 w0.127: v1(15.775,14.5) 16.098,14.177 18.3,14.177 18.618,14.177 cw(c18.618,14.05) 18.745,14.05 18.745,13.78 ccw(c18.872,13.78) 18.999,13.78 18.999,14.124 cw(c19.126,14.124) 19.253,14.124 19.253,13.78 ccw(c19.38,13.78) 19.507,13.78 19.507,14.05 cw(c19.634,14.05) 19.634,14.177 19.95,14.177 20.998,14.177 22.423,12.752 23.498,12.752 25.823,10.427 25.823,9.829 26.029,9.623 26.447,9.623 26.648,9.422 26.648,7.498 26.277,7.127 24.477,7.127 23.825,6.475 v1(23.825,6.025)
SA3: U1.Y20 U2.N2 | length 21.4
  Top Layer w0.127: U2.N2@22.6,6.4 22.952,6.752 24.148,6.752 v1(24.425,6.475)
  SIG2 w0.127: v1(15.2,15.2) 15.5,14.9 15.627,14.9 15.629,14.898 16.135,14.898 16.14,14.902 16.646,14.902 16.648,14.9 21.847,14.9 26.95,9.797 26.95,7.35 26.075,6.475 v1(24.425,6.475)
SA4: U1.Y16 U2.P8 | length 21
  Top Layer w0.127: v1(14.875,12.275) U1.Y16@15.2,12.6 ; v1@27.025,5.225 U2.P8@27.4,5.6
  Bottom Layer w0.127: v1(14.875,12.275) 14.875,11.775 14.359,11.259 14.359,10.342 15.369,9.332 16.343,9.332 16.6,9.075 16.645,9.03 16.831,8.844 cw(c16.741,8.754) 16.831,8.665 16.791,8.625 ccw(c16.881,8.535) 16.791,8.445 ccw(c16.881,8.535) 16.971,8.445 17.019,8.494 cw(c17.109,8.404) 17.199,8.494 cw(c17.109,8.404) 17.199,8.314 17.15,8.266 ccw(c17.24,8.176) 17.15,8.086 ccw(c17.24,8.176) 17.33,8.086 17.378,8.134 cw(c17.468,8.045) 17.558,8.134 cw(c17.468,8.045) 17.558,7.955 17.509,7.906 ccw(c17.599,7.817) 17.509,7.727 ccw(c17.599,7.817) 17.689,7.727 17.737,7.775 cw(c17.827,7.685) 17.917,7.775 cw(c17.827,7.685) 17.917,7.596 17.869,7.547 ccw(c17.958,7.457) 17.869,7.368 ccw(c17.958,7.457) 18.048,7.368 18.088,7.407 cw(c18.178,7.318) 18.268,7.407 18.313,7.362 20.855,4.82 22.705,4.82 23.552,3.973 26.421,3.973 26.675,4.227 26.675,4.625 26.995,4.945 26.995,5.182 v1(27.025,5.213)
SA5: U1.Y10 U2.P2 | length 21.4
  Top Layer w0.127: v1(14.875,9.025) U1.Y10@15.2,8.7 ; v1(22.175,5.175) U2.P2@22.6,5.6
  SIG2 w0.127: v1(14.875,9.025) 14.838,8.988 14.838,8.763 14.3,8.225 14.3,8.15 14.3,7.949 cw(c14.173,7.949) 14.173,7.822 13.707,7.822 ccw(c13.707,7.695) 13.707,7.568 14.18,7.568 cw(c14.18,7.441) 14.18,7.314 13.729,7.314 ccw(c13.729,7.187) 13.729,7.06 14.395,7.06 cw(c14.395,6.933) 14.395,6.806 13.729,6.806 ccw(c13.729,6.679) 13.729,6.552 14.16,6.552 cw(c14.16,6.335) 14.313,6.489 14.377,6.425 14.41,6.392 14.634,6.168 cw(c14.544,6.078) 14.634,5.988 14.369,5.723 ccw(c14.458,5.633) 14.369,5.543 ccw(c14.458,5.633) 14.548,5.543 14.814,5.808 cw(c14.903,5.719) 14.993,5.808 15.131,5.67 15.602,5.2 15.675,5.2 15.993,5.2 cw(c15.993,5.073) 16.12,5.073 16.12,4.955 ccw(c16.247,4.955) 16.374,4.955 16.374,5.084 cw(c16.501,5.084) 16.628,5.084 16.628,5 ccw(c16.755,5) 16.882,5 16.882,5.084 cw(c17.009,5.084) 17.136,5.084 17.136,4.881 ccw(c17.263,4.881) 17.39,4.881 17.39,5.084 cw(c17.517,5.084) 17.644,5.084 17.644,4.881 ccw(c17.771,4.881) 17.898,4.881 17.898,5.084 cw(c18.025,5.084) 18.152,5.084 18.152,4.881 ccw(c18.279,4.881) 18.406,4.881 18.406,5.084 cw(c18.533,5.084) 18.66,5.084 18.66,4.881 ccw(c18.787,4.881) 18.914,4.881 18.914,5.073 cw(c19.041,5.073) 19.041,5.2 19.4,5.2 20.902,5.2 21.229,5.527 21.521,5.527 21.875,5.173 22.173,5.173 v1(22.175,5.175)
SA6: U1.Y8 U2.R8 | length 22.1
  Top Layer w0.127: U1.Y8@15.2,7.4 v1(15.525,7.075) ; U2.R8@27.4,4.8 v1@27.825,4.375
  SIG1 w0.127: v1@15.591,7.075 v1(15.525,7.075) 15.525,6.577 15.576,6.526 15.621,6.481 15.778,6.323 cw(c15.688,6.234) 15.778,6.144 15.52,5.885 ccw(c15.609,5.795) 15.52,5.705 ccw(c15.609,5.795) 15.699,5.705 15.977,5.983 cw(c16.066,5.893) 16.156,5.983 cw(c16.066,5.893) 16.156,5.803 15.879,5.526 ccw(c15.969,5.436) 15.879,5.346 ccw(c15.969,5.436) 16.058,5.346 16.341,5.629 cw(c16.431,5.539) 16.52,5.629 cw(c16.431,5.539) 16.52,5.449 16.238,5.167 ccw(c16.328,5.077) 16.238,4.987 ccw(c16.328,5.077) 16.418,4.987 16.676,5.246 cw(c16.766,5.156) 16.856,5.246 16.901,5.201 17.377,4.725 17.5,4.725 17.564,4.725 17.817,4.725 cw(c17.818,4.598) 17.945,4.598 17.945,4.473 ccw(c18.072,4.473) 18.199,4.473 18.199,4.637 cw(c18.326,4.637) 18.453,4.637 18.453,4.473 ccw(c18.58,4.473) 18.707,4.473 18.707,4.637 cw(c18.834,4.637) 18.961,4.637 18.961,4.473 ccw(c19.088,4.473) 19.215,4.473 19.215,4.637 cw(c19.342,4.637) 19.469,4.637 19.469,4.473 ccw(c19.596,4.473) 19.723,4.473 19.723,4.637 cw(c19.85,4.637) 19.977,4.637 19.977,4.473 ccw(c20.104,4.473) 20.231,4.473 20.231,4.637 cw(c20.358,4.637) 20.485,4.637 20.485,4.473 ccw(c20.612,4.473) 20.739,4.473 20.739,4.6 cw(c20.866,4.6) 20.865,4.727 21.187,4.727 21.25,4.727 22.321,4.727 22.324,4.725 24.125,4.725 24.95,3.9 27.35,3.9 v1(27.825,4.375)
SA7: U1.AA5 U2.R2 | length 21.3
  Top Layer w0.127: U1.AA5@15.85,5.45 16.142,5.158 16.667,5.158 16.803,5.022 16.803,4.542 v1(16.825,4.52) ; v1(22.175,4.375) U2.R2@22.6,4.8
  SIG2 w0.127: v1(16.825,4.52) 17.05,4.52 17.368,4.52 cw(c17.368,4.393) 17.495,4.393 17.495,3.818 ccw(c17.622,3.818) 17.749,3.818 17.749,4.411 cw(c17.876,4.411) 18.003,4.411 18.003,3.818 ccw(c18.13,3.818) 18.257,3.818 18.257,4.411 cw(c18.384,4.411) 18.511,4.411 18.511,3.818 ccw(c18.638,3.818) 18.765,3.818 18.765,4.411 cw(c18.892,4.411) 19.019,4.411 19.019,3.818 ccw(c19.146,3.818) 19.273,3.818 19.273,4.857 cw(c19.4,4.857) 19.527,4.857 19.527,3.818 ccw(c19.654,3.818) 19.781,3.818 19.781,4.857 cw(c19.908,4.857) 20.035,4.857 20.035,3.818 ccw(c20.162,3.818) 20.289,3.818 20.289,4.857 cw(c20.416,4.857) 20.543,4.857 20.543,3.818 ccw(c20.67,3.818) 20.797,3.818 20.797,4.857 cw(c20.924,4.857) 21.051,4.857 21.051,4.854 ccw(c21.178,4.854) 21.178,4.727 21.7,4.727 21.823,4.727 v1(22.175,4.375)
SA8: U1.AA7 U2.T8 | length 22
  Top Layer w0.127: U1.AA7@15.85,6.75 v1(16.175,6.425) ; v1(27.075,4.325) U2.T8@27.4,4
  SIG1 w0.127: v1(16.175,6.425) 17.073,5.527 17.175,5.527 17.493,5.527 cw(c17.493,5.4) 17.62,5.4 17.62,5.118 ccw(c17.747,5.118) 17.874,5.118 17.874,5.4 cw(c18.001,5.4) 18.128,5.4 18.128,5.118 ccw(c18.255,5.118) 18.382,5.118 18.382,5.4 cw(c18.509,5.4) 18.636,5.4 18.636,5.118 ccw(c18.763,5.118) 18.89,5.118 18.89,5.4 cw(c19.017,5.4) 19.144,5.4 19.144,5.118 ccw(c19.271,5.118) 19.398,5.118 19.398,5.4 cw(c19.525,5.4) 19.652,5.4 19.652,5.118 ccw(c19.779,5.118) 19.906,5.118 19.906,5.4 cw(c20.033,5.4) 20.16,5.4 20.16,5.118 ccw(c20.287,5.118) 20.414,5.118 20.414,5.4 cw(c20.541,5.4) 20.668,5.4 20.668,5.118 ccw(c20.795,5.118) 20.922,5.118 20.922,5.4 cw(c21.049,5.4) 21.049,5.527 21.375,5.527 22.325,5.527 22.643,5.527 cw(c22.643,5.4) 22.77,5.4 22.77,5.118 ccw(c22.897,5.118) 23.024,5.118 23.024,5.483 cw(c23.151,5.483) 23.278,5.483 23.278,5.118 ccw(c23.405,5.118) 23.532,5.118 23.532,5.483 cw(c23.659,5.483) 23.786,5.483 23.786,5.118 ccw(c23.913,5.118) 24.04,5.118 24.04,5.204 cw(c24.167,5.204) 24.256,5.294 24.625,4.925 24.8,4.75 25.13,4.75 25.194,4.75 ccw(c25.194,4.877) 25.321,4.877 25.321,4.886 cw(c25.448,4.886) 25.575,4.886 25.575,4.607 ccw(c25.702,4.607) 25.829,4.607 25.829,4.623 cw(c25.956,4.623) 25.956,4.75 26.38,4.75 26.65,4.75 v1(27.075,4.325)
SA9: U1.Y3 U2.R3 | length 21.4
  Top Layer w0.127: U1.Y3@15.2,4.15 v1(15.525,3.825) ; U2.R3@23.4,4.8 23.4,4.788 23.852,4.337 v1(23.852,4.325)
  SIG2 w0.127: v1(15.525,3.825) 16.8,2.55 21.648,2.55 22.622,3.523 22.622,3.912 23.81,5.1 25.451,5.1 25.525,5.026 25.525,4.874 25.451,4.8 24.299,4.8 24.225,4.726 24.225,4.549 24.299,4.475 25.426,4.475 25.5,4.401 25.5,4.249 25.426,4.175 24.304,4.175 24.23,4.101 24.23,3.995 24.35,3.875 25.426,3.875 25.5,3.801 25.5,3.633 25.426,3.559 24.066,3.559 23.852,3.773 v1(23.852,4.325)
SA10: U1.Y17 U2.L7 | length 21.4
  Top Layer w0.127: v1(14.875,13.575) U1.Y17@15.2,13.25 ; v1(26.225,7.575) 26.225,7.6 26.6,7.975 U2.L7@26.6,8
  SIG2 w0.127: v1(14.875,13.575) 15.498,12.952 17.746,12.952 17.948,12.75 18.186,12.75 18.249,12.75 ccw(c18.249,12.877) 18.376,12.877 18.376,13.179 cw(c18.503,13.179) 18.63,13.179 18.63,12.6 ccw(c18.757,12.6) 18.884,12.6 18.884,13.179 cw(c19.011,13.179) 19.138,13.179 19.138,12.6 ccw(c19.265,12.6) 19.392,12.6 19.392,13.179 cw(c19.519,13.179) 19.646,13.179 19.646,12.6 ccw(c19.773,12.6) 19.9,12.6 19.9,13.179 cw(c20.027,13.179) 20.154,13.179 20.154,12.6 ccw(c20.281,12.6) 20.408,12.6 20.408,12.623 cw(c20.535,12.623) 20.535,12.75 20.726,12.75 21.056,12.75 21.454,12.352 21.946,12.352 22.321,11.977 22.778,11.977 23.356,11.4 23.775,11.4 26.227,8.948 26.227,8.204 26.225,8.202 v1(26.225,7.575)
SA11: U1.W17 U2.R7 | length 21
  Top Layer w0.127: v1(14.225,13.575) U1.W17@14.55,13.25 ; v1(26.275,5.125) U2.R7@26.6,4.8
  Bottom Layer w0.127: v1(14.225,13.575) 14.277,13.523 14.429,13.523 14.906,13.045 17.955,13.045 19.188,11.813 19.232,11.768 19.412,11.588 cw(c19.322,11.498) 19.412,11.408 19.228,11.224 ccw(c19.317,11.134) 19.228,11.044 ccw(c19.317,11.134) 19.407,11.044 19.696,11.333 cw(c19.786,11.244) 19.876,11.333 cw(c19.786,11.244) 19.876,11.154 19.587,10.865 ccw(c19.677,10.775) 19.587,10.685 ccw(c19.677,10.775) 19.766,10.685 20.055,10.974 cw(c20.145,10.884) 20.235,10.974 cw(c20.145,10.884) 20.235,10.795 19.946,10.506 ccw(c20.036,10.416) 19.946,10.326 ccw(c20.036,10.416) 20.126,10.326 20.415,10.615 cw(c20.504,10.525) 20.594,10.615 cw(c20.504,10.525) 20.594,10.435 20.305,10.146 ccw(c20.395,10.056) 20.305,9.967 ccw(c20.395,10.056) 20.485,9.967 20.669,10.151 cw(c20.759,10.061) 20.849,10.151 21.218,9.782 21.263,9.737 21.473,9.527 22.346,9.527 22.648,9.226 22.648,9.054 22.902,8.8 23.123,8.8 24.152,7.771 24.152,7.373 26.223,5.302 26.223,5.177 v1(26.275,5.125)
SA12: U1.W16 U2.N7 | length 21
  Top Layer w0.127: v1(14.225,12.275) U1.W16@14.55,12.6 ; U2.N7@26.6,6.4 v1(27.025,5.975)
  Bottom Layer w0.127: v1@14.219,12.275 v1(14.225,12.275) 14.577,12.627 15.324,12.627 15.974,11.977 16.388,11.977 17.013,11.352 17.823,11.352 21.2,7.975 23.073,7.975 23.448,7.601 23.448,6.954 24.501,5.901 24.546,5.856 ccw(c24.636,5.946) 24.725,5.856 24.81,5.941 cw(c24.9,5.851) 24.99,5.941 cw(c24.9,5.851) 24.99,5.761 24.634,5.405 ccw(c24.724,5.316) 24.634,5.226 ccw(c24.724,5.316) 24.814,5.226 25.169,5.582 cw(c25.259,5.492) 25.349,5.582 cw(c25.259,5.492) 25.349,5.402 24.993,5.046 ccw(c25.083,4.956) 24.993,4.867 ccw(c25.083,4.956) 25.173,4.867 25.264,4.958 cw(c25.354,4.868) 25.444,4.958 25.629,4.773 25.673,4.773 26.421,4.773 26.673,5.024 26.673,5.623 v1(27.025,5.975)
SA13: U1.W5 U2.T3 | length 21.3
  Top Layer w0.127: U1.W5@14.55,5.45 v1(14.875,5.125) ; v1(22.975,3.575) U2.T3@23.4,4
  SIG2 w0.127: v1(14.875,5.125) 14.875,3.977 16.577,2.275 21.925,2.275 22.149,2.275 ccw(c22.149,2.402) 22.276,2.402 22.276,2.716 cw(c22.403,2.716) 22.53,2.716 22.53,2.378 ccw(c22.657,2.378) 22.784,2.378 22.784,2.716 cw(c22.911,2.716) 23.038,2.716 23.038,2.378 ccw(c23.165,2.378) 23.292,2.378 23.292,2.716 cw(c23.419,2.716) 23.546,2.716 23.546,2.378 ccw(c23.673,2.378) 23.8,2.378 23.8,2.716 cw(c23.927,2.716) 24.054,2.716 24.054,2.378 ccw(c24.181,2.378) 24.308,2.378 24.308,2.716 cw(c24.435,2.716) 24.562,2.716 24.562,2.402 ccw(c24.689,2.402) 24.689,2.275 25.006,2.275 25.1,2.275 25.375,2.55 25.375,2.875 25.025,3.225 23.304,3.225 22.975,3.554 v1(22.975,3.575)
SA14: U1.AA14 U2.T7 | length 21
  Top Layer w0.127: v1(15.525,11.625) U1.AA14@15.85,11.3 ; v1(26.275,4.325) U2.T7@26.6,4
  Bottom Layer w0.127: v1(15.525,11.625) 15.1,11.2 15.1,10.775 15.81,10.065 17.11,10.065 18.821,8.354 18.866,8.309 18.97,8.205 cw(c18.88,8.116) 18.97,8.026 18.713,7.77 ccw(c18.803,7.68) 18.713,7.59 ccw(c18.803,7.68) 18.893,7.59 19.16,7.857 cw(c19.25,7.768) 19.34,7.857 cw(c19.25,7.768) 19.34,7.678 19.073,7.411 ccw(c19.162,7.321) 19.073,7.231 ccw(c19.162,7.321) 19.252,7.231 19.519,7.498 cw(c19.609,7.408) 19.699,7.498 cw(c19.609,7.408) 19.699,7.319 19.432,7.051 ccw(c19.522,6.962) 19.432,6.872 ccw(c19.522,6.962) 19.611,6.872 19.879,7.139 cw(c19.968,7.049) 20.058,7.139 cw(c19.968,7.049) 20.058,6.959 19.791,6.692 ccw(c19.881,6.602) 19.791,6.513 ccw(c19.881,6.602) 19.971,6.513 20.238,6.78 cw(c20.328,6.69) 20.417,6.78 cw(c20.328,6.69) 20.417,6.6 20.15,6.333 ccw(c20.24,6.243) 20.15,6.153 ccw(c20.24,6.243) 20.33,6.153 20.586,6.409 cw(c20.676,6.32) 20.766,6.409 20.81,6.365 20.848,6.327 21.823,6.327 22.527,5.623 23.077,5.623 24.375,4.325 v1(26.275,4.325)
SA15: U1.W19 U2.M7 | length 21
  Top Layer w0.127: v1(25.745,7.48) 26.025,7.2 U2.M7@26.6,7.2
  Bottom Layer w0.127: v1(14.55,14.55) 14.561,14.55 14.761,14.75 15.527,14.75 15.674,14.898 16.158,14.898 16.163,14.902 16.646,14.902 16.648,14.9 20.375,14.9 20.463,14.813 20.507,14.768 ccw(c20.597,14.857) 20.687,14.768 20.794,14.874 cw(c20.883,14.784) 20.973,14.874 cw(c20.883,14.784) 20.973,14.694 20.684,14.406 ccw(c20.774,14.316) 20.684,14.226 ccw(c20.774,14.316) 20.864,14.226 21.153,14.515 cw(c21.243,14.425) 21.332,14.515 cw(c21.243,14.425) 21.332,14.335 21.043,14.046 ccw(c21.133,13.956) 21.043,13.867 ccw(c21.133,13.956) 21.223,13.867 21.512,14.156 cw(c21.602,14.066) 21.692,14.156 cw(c21.602,14.066) 21.692,13.976 21.403,13.687 ccw(c21.492,13.597) 21.403,13.507 ccw(c21.492,13.597) 21.582,13.507 21.871,13.796 cw(c21.961,13.707) 22.051,13.796 cw(c21.961,13.707) 22.051,13.617 21.944,13.51 ccw(c22.034,13.421) 21.944,13.331 22.047,13.228 22.092,13.183 22.325,12.95 22.325,12.375 23.425,11.275 24.225,11.275 25.473,10.027 25.473,7.759 25.745,7.487 v1(25.745,7.48)
SBA0: U1.W7 U2.M2 | length 21.3
  Top Layer w0.127: U1.W7@14.55,6.75 v1(14.875,6.425) ; v1(22.175,6.775) U2.M2@22.6,7.2
  SIG2 w0.127: v1(14.875,6.425) 14.875,6.351 14.987,6.24 ; 14.987,6.238 15.375,5.85 15.525,5.85 15.589,5.85 ccw(c15.589,5.977) 15.716,5.977 15.716,6.005 cw(c15.843,6.005) 15.97,6.005 15.97,5.554 ccw(c16.097,5.554) 16.224,5.554 16.224,5.946 cw(c16.351,5.946) 16.478,5.946 16.478,5.554 ccw(c16.605,5.554) 16.732,5.554 16.732,5.743 cw(c16.859,5.743) 16.986,5.743 16.986,5.554 ccw(c17.113,5.554) 17.24,5.554 17.24,5.743 cw(c17.367,5.743) 17.494,5.743 17.494,5.554 ccw(c17.621,5.554) 17.748,5.554 17.748,5.743 cw(c17.875,5.743) 18.002,5.743 18.002,5.554 ccw(c18.129,5.554) 18.256,5.554 18.256,5.743 cw(c18.383,5.743) 18.51,5.743 18.51,5.554 ccw(c18.637,5.554) 18.764,5.554 18.764,5.743 cw(c18.891,5.743) 19.018,5.743 19.018,5.554 ccw(c19.145,5.554) 19.272,5.554 19.272,5.743 cw(c19.399,5.743) 19.526,5.743 19.526,5.554 ccw(c19.653,5.554) 19.78,5.554 19.78,5.743 cw(c19.907,5.743) 20.034,5.743 20.034,5.554 ccw(c20.161,5.554) 20.288,5.554 20.288,5.743 cw(c20.415,5.743) 20.542,5.743 20.542,5.554 ccw(c20.669,5.554) 20.796,5.554 20.796,5.841 cw(c20.923,5.841) 20.833,5.931 21.229,6.327 21.25,6.327 21.923,6.327 22.1,6.15 22.1,5.825 22.75,5.175 22.925,5.175 23,5.25 23,5.452 22.428,6.024 22.428,6.203 23.11,6.885 23.11,6.99 22.978,7.122 22.872,7.122 22.577,6.827 22.227,6.827 v1(22.175,6.775)
SBA1: U1.AA20 U2.N8 | length 21
  SIG2 w0.127: v1(15.775,15.25) v1@15.775,15.298
  Bottom Layer w0.127: v1(15.775,15.25) 16.65,16.125 20.622,16.125 26.527,10.219 26.527,9.924 27.352,9.1 27.4,9.052 27.4,8.782 cw(c27.273,8.782) 27.273,8.655 26.906,8.655 ccw(c26.906,8.528) 26.906,8.401 27.296,8.401 cw(c27.296,8.274) 27.296,8.147 26.906,8.147 ccw(c26.906,8.02) 26.906,7.893 27.298,7.893 cw(c27.298,7.766) 27.298,7.639 26.906,7.639 ccw(c26.906,7.512) 26.906,7.385 27.273,7.385 cw(c27.273,7.258) 27.4,7.258 27.4,7.05 v1(27.4,6.4)
SBA2: U1.W8 U2.M3 | length 21.4
  Top Layer w0.127: U1.W8@14.55,7.4 v1(14.875,7.725) ; U2.M3@23.4,7.2 23.417,7.182 23.85,7.182 v1(23.868,7.165)
  SIG2 w0.127: v1(14.875,7.725) 14.927,7.673 15.077,7.673 15.323,7.427 15.798,7.427 16.075,7.15 16.075,6.874 16.149,6.8 16.375,6.8 16.693,6.8 cw(c16.693,6.673) 16.82,6.673 16.82,6.213 ccw(c16.947,6.213) 17.074,6.213 17.074,6.685 cw(c17.201,6.685) 17.328,6.685 17.328,6.213 ccw(c17.455,6.213) 17.582,6.213 17.582,6.685 cw(c17.709,6.685) 17.836,6.685 17.836,6.213 ccw(c17.963,6.213) 18.09,6.213 18.09,6.685 cw(c18.217,6.685) 18.344,6.685 18.344,6.213 ccw(c18.471,6.213) 18.598,6.213 18.598,6.685 cw(c18.725,6.685) 18.852,6.685 18.852,6.213 ccw(c18.979,6.213) 19.106,6.213 19.106,6.685 cw(c19.233,6.685) 19.36,6.685 19.36,6.213 ccw(c19.487,6.213) 19.614,6.213 19.614,6.685 cw(c19.741,6.685) 19.868,6.685 19.868,6.213 ccw(c19.995,6.213) 20.122,6.213 20.122,6.685 cw(c20.249,6.685) 20.376,6.685 20.376,6.213 ccw(c20.503,6.213) 20.63,6.213 20.63,6.673 cw(c20.757,6.673) 20.757,6.8 20.902,6.8 21.229,7.127 21.425,7.127 22.358,7.127 22.623,7.392 22.623,7.721 22.829,7.927 23.273,7.927 23.815,7.385 23.815,7.217 v1(23.868,7.165)
SCAS: U1.Y7 U2.K3 | length 21.4
  Top Layer w0.127: v1(14.875,7.075) U1.Y7@15.2,6.75 ; v1(22.952,8.339) 22.952,8.346 23.4,8.794 U2.K3@23.4,8.8
  SIG2 w0.127: v1(14.875,7.075) 14.522,7.427 14.522,7.871 14.729,8.078 14.966,8.078 15.172,8.078 15.575,7.675 16.3,7.675 cw(c16.3,7.548) 16.427,7.548 16.427,7.155 ccw(c16.554,7.155) 16.681,7.155 16.681,7.548 cw(c16.808,7.548) 16.935,7.548 16.935,7.155 ccw(c17.062,7.155) 17.189,7.155 17.189,7.548 cw(c17.316,7.548) 17.443,7.548 17.443,7.155 ccw(c17.57,7.155) 17.697,7.155 17.697,7.548 cw(c17.824,7.548) 17.951,7.548 17.951,7.155 ccw(c18.078,7.155) 18.205,7.155 18.205,7.548 cw(c18.332,7.548) 18.459,7.548 18.459,7.155 ccw(c18.586,7.155) 18.713,7.155 18.713,7.548 cw(c18.84,7.548) 18.967,7.548 18.967,7.155 ccw(c19.094,7.155) 19.221,7.155 19.221,7.548 cw(c19.348,7.548) 19.475,7.548 19.475,7.155 ccw(c19.602,7.155) 19.729,7.155 19.729,7.548 cw(c19.856,7.548) 19.983,7.548 19.983,7.155 ccw(c20.11,7.155) 20.237,7.155 20.237,7.548 cw(c20.364,7.548) 20.491,7.548 20.491,7.155 ccw(c20.618,7.155) 20.745,7.155 20.745,8.103 cw(c20.872,8.103) 20.999,8.103 20.999,8.004 ccw(c21.126,8.004) 21.216,7.914 21.229,7.927 21.372,7.927 22.227,7.927 22.587,8.287 22.9,8.287 v1(22.952,8.339)
SCK_N: R19.2 U1.AB12 U2.K7 | length 25.6
  Top Layer w0.102: v1(16.212,9.713) U1.AB12@16.5,10 ; v1(24.575,8.425) 24.847,8.697 25.395,8.697 25.783,9.086 26.314,9.086 U2.K7@26.6,8.8 26.657,8.857 26.657,9.141 27.06,9.544 27.06,10.001 27.12,10.06 28.341,10.06 28.563,10.283 29.084,10.283 29.368,9.999 29.381,9.999 29.6,9.78 R19.2@29.6,9.767
  SIG2 w0.102: v1(16.212,9.713) 16.212,9.706 16.458,9.46 16.458,9.242 16.666,9.034 17.1,9.034 17.85,9.784 17.9,9.784 18.071,9.784 ccw(c18.071,10.139) 18.427,10.139 18.427,10.463 cw(c18.541,10.463) 18.656,10.463 18.656,9.844 ccw(c19.011,9.844) 19.367,9.844 19.367,10.939 cw(c19.481,10.939) 19.595,10.939 19.595,9.844 ccw(c19.951,9.844) 20.307,9.844 20.307,10.939 cw(c20.421,10.939) 20.535,10.939 20.535,10.084 ccw(c20.891,10.084) 21.246,10.084 21.246,10.939 cw(c21.361,10.939) 21.475,10.939 21.475,10.139 ccw(c21.831,10.139) 21.831,9.784 22.45,9.784 22.897,9.784 23.99,8.691 24.309,8.691 v1(24.575,8.425)